# Altium PCB PJ_GRA_F.PcbDoc (part 2 of 2)
Units mm, origin at the board's own origin, x right, y up, seen from the top; angles counter-clockwise.
Board outline 100 x 100 mm, 2 copper layers (Top Layer, Bottom Layer); 102 components, 87 nets, 341 pads, 125 vias.
Unrouted connection lines stored in the file: 1.
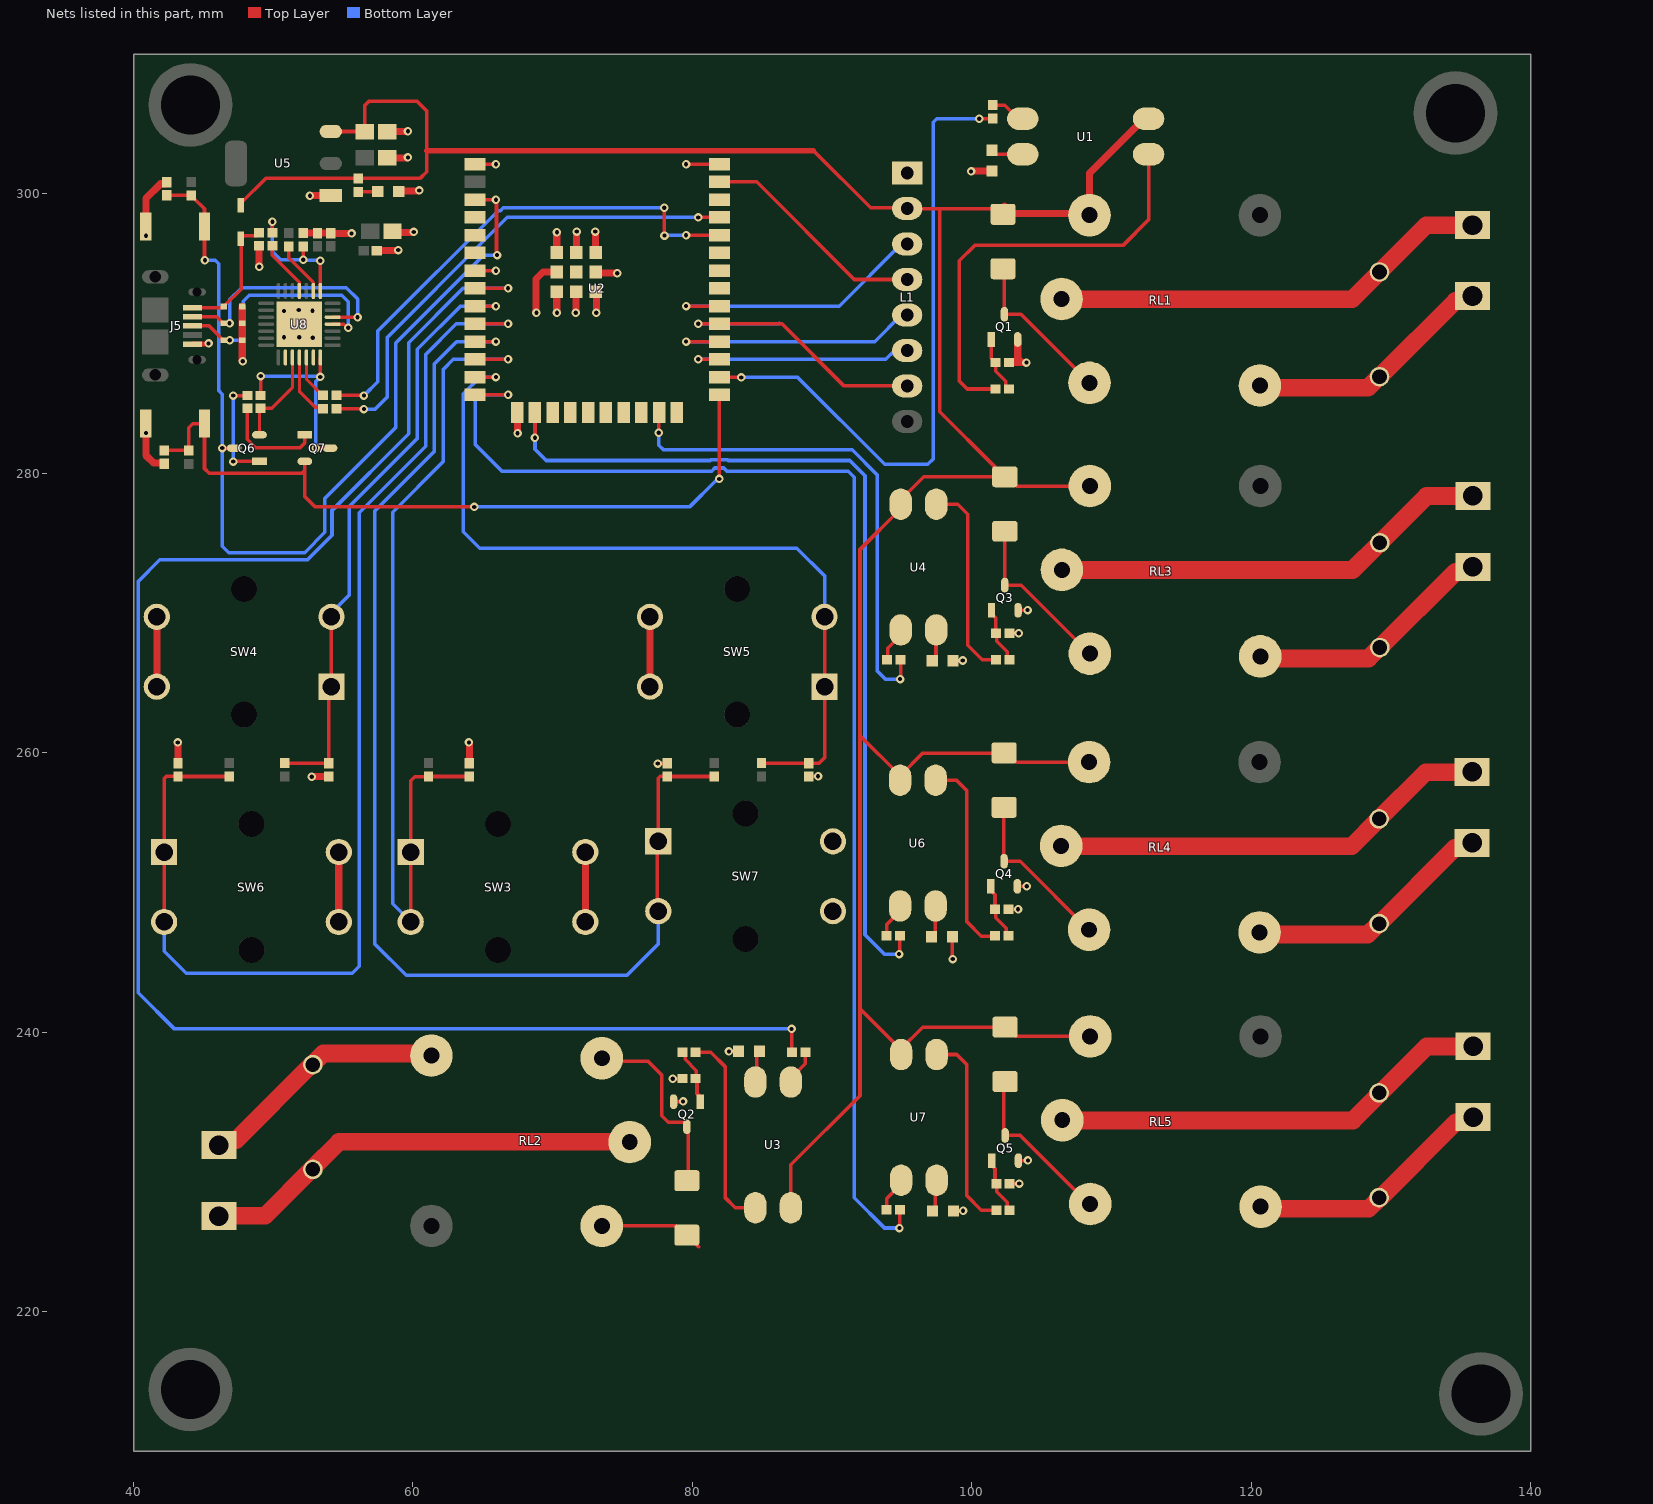
[diagram p2: the nets of this part, all layers, seen from the top]

## Via types
v1: diameter 0.61, hole 0.305, Top Layer to Bottom Layer, 124 vias
v2: diameter 0.61/0.61 (per signal layer), hole 0.305, Top Layer to Bottom Layer, 1 vias

## Nets (pads, with @x,y where several pads share a name; then routed paths per layer and width w, separated by ;. In a path a pad name is that pad's centre, name@x,y a point inside that pad or via, vN(x,y) a via of type N, cw(c..) or ccw(c..) an arc to the next point about the centre after c; other vN are vias at no path point) (continued)
5V: C9.2 D1.K D3.K D4.K D7.K D10.K D12.C L1.2 R13.2 RL1.5 RL2.5 RL3.5 RL4.5 RL5.5 U1.4 U3.4 U4.4 U5.3 U6.4 U7.4 | length 220.9
  Top Layer w0.254: D12.C@47.701,299.107 47.701,299.364 49.45,301.113 R13.2@56.083,301.113 60.499,301.113 60.985,301.6 60.985,303.098 60.985,305.943 60.274,306.654 56.871,306.654 56.553,306.336 C9.2@56.553,304.47 56.549,304.474 U5.3@54.119,304.474 ; RL2.5@73.609,226.136 78.853,226.136 D3.K@79.516,225.473 ; D3.K@79.605,225.474 80.441,224.638 ; U3.4@87.048,227.433 87.048,230.507 91.999,235.458 91.999,241.673 ; 88.671,303.098 92.761,299.009 L1.2@95.377,299.009 ; U6.4@94.868,258.037 U6.4@94.868,258.362 ; U7.4@94.944,238.403 94.944,238.728 U7.4@94.897,238.775 ; L1.2@95.377,298.958 97.714,298.958 ; D1.K@102.235,298.546 101.823,298.958 97.714,298.958 ; RL5.5@108.382,239.701 103.138,239.701 102.476,240.364 96.485,240.364 U7.4@94.897,238.775 ; RL4.5@108.382,259.317 103.138,259.317 102.476,259.98 96.485,259.98 U6.4@94.868,258.362 ; RL3.5@108.45,279.095 103.206,279.095 102.543,279.758 D4.K@102.361,279.758 D4.K@102.243,279.758 ; 91.999,241.673 91.999,261.231 ; 91.999,241.673 U7.4@94.897,238.775 ; 91.999,261.231 91.999,274.554 94.918,277.473 U4.4@94.918,277.798 94.918,278.123 96.553,279.758 D4.K@102.243,279.758 ; 91.999,261.231 U6.4@94.868,258.362 ; 97.714,298.958 97.714,284.405 101.625,280.494 101.625,280.376 D4.K@102.243,279.758
  Top Layer w0.381: 60.985,303.098 88.671,303.098
  Top Layer w0.508: D1.K@102.337,299.144 102.886,298.595 108.312,298.595 RL1.5@108.426,298.481 108.426,301.482 112.328,305.384 U1.4@112.653,305.384
CLK: U2.20
CMD: U2.19
COM1: C4.2 P1.1 RL1.1 | length 55.4
  Top Layer w0.254: RL1.1@106.426,292.481 127.247,292.481 C4.2@129.184,294.419 ; P1.1@135.589,297.777 P1.1@135.839,297.777
  Top Layer w1.27: RL1.1@106.409,292.464 127.23,292.464 129.167,294.402 132.525,297.76 P1.1@135.822,297.76
COM2: C7.2 P3.1 RL3.1 | length 63.2
  Top Layer w0.254: RL3.1@106.45,273.095 127.271,273.095 C7.2@129.208,275.033 132.566,278.391 P3.1@135.863,278.391
  Top Layer w1.27: RL3.1@106.433,273.078 127.254,273.078 129.191,275.016 132.549,278.374 P3.1@135.846,278.374
COM3: C10.2 P4.1 RL4.1 | length 31.6
  Top Layer w1.27: RL4.1@106.382,253.317 127.203,253.317 129.141,255.255 132.499,258.613 P4.1@135.795,258.613
COM4: C11.2 P5.1 RL5.1 | length 63.2
  Top Layer w0.254: RL5.1@106.382,233.701 127.203,233.701 129.141,235.639 132.499,238.997 P5.1@135.795,238.997
  Top Layer w1.27: RL5.1@106.458,233.683 127.279,233.683 129.217,235.621 132.575,238.979 P5.1@135.872,238.979
COM5: C6.2 P2.1 RL2.1 | length 63.2
  Top Layer w0.254: P2.1@46.196,226.84 49.493,226.84 52.851,230.198 54.789,232.136 RL2.1@75.609,232.136
  Top Layer w1.27: P2.1@46.119,226.857 49.416,226.857 52.774,230.215 54.712,232.153 RL2.1@75.533,232.153
CTS: U8.23
D+: D15.2 J5.3 U8.4 | length 17.7
  Top Layer w0.229: U8.4@54.246,290.68 U8.4@54.243,290.678 55.062,290.678 55.316,290.424 v1(55.372,290.424)
  Top Layer w0.254: J5.3@44.229,290.558 45.397,290.558 46.42,289.535 D15.2@46.46,289.535 v1(46.888,289.535)
  Bottom Layer w0.254: v1(46.888,289.535) 47.705,289.535 47.854,289.683 47.854,292.329 48.285,292.76 54.889,292.76 55.372,292.278 v1(55.372,290.424)
D-: D14.2 J5.2 U8.5 | length 17.5
  Top Layer w0.254: J5.2@44.229,291.208 45.953,291.208 46.42,290.741 D14.2@46.46,290.741 46.472,290.728 46.846,290.728 v1(46.871,290.754) ; U8.5@54.243,291.178 54.247,291.182 56.028,291.182 v1(56.032,291.186)
  Bottom Layer w0.254: v1(46.871,290.754) 46.871,292.413 47.759,293.301 55.217,293.301 56.039,292.479 56.039,291.193 v1(56.032,291.186)
DSR: U8.27
DTR: Q7.3 R27.1 U8.28 | length 13.3
  Top Layer w0.229: R27.1@49.094,285.572 49.098,285.576 v1(49.098,286.969) ; v1(53.035,281.813) Q7.3@54.06,281.813 ; v1(53.367,286.908) U8.28@53.367,288.301
  Bottom Layer w0.254: v1(49.098,286.969) 53.306,286.969 v1(53.367,286.908) 53.035,286.577 v1(53.035,281.813)
EN: C5.2 Q6.3 R5.1 SW1.1 U2.3 | length 68.3
  Top Layer w0.254: C5.2@42.367,299.914 42.373,299.908 44.114,299.908 R5.1@44.12,299.902 44.12,299.88 44.692,299.308 44.714,299.308 45.077,298.945 SW1.1@45.077,297.688 45.077,295.283 v1(45.11,295.25) ; v1(46.355,281.813) Q6.3@47.207,281.813 ; U2.3@64.426,299.594 v1@65.937,299.594 ; v1(65.938,299.593) 65.977,299.555 65.977,295.669 v1(66.015,295.631)
  Bottom Layer w0.254: v1(45.11,295.25) 45.847,295.25 46.089,295.007 46.089,285.931 46.355,285.665 46.355,274.777 46.812,274.32 52.241,274.32 53.696,275.775 53.696,278.206 58.776,283.286 58.776,289.331 65.075,295.631 v1(66.015,295.631)
GND: C1.1 C2.1 C3.1 C5.1 C8.1 C9.1 C12.1 C13.1 C14.1 C15.1 C16.1 C17.1 C18.1 D2.1 D5.1 D6.1 D8.1 D9.1 D11.1 D13.1 D14.1 D15.1 J5.5 L1.1 Q1.2 Q2.2 Q3.2 Q4.2 Q5.2 R4.1 R10.1 R11.1 R15.1 R18.1 R28.1 R30.1 SW1.2 SW2.2 SW3.2 SW3.4 SW4.2 SW4.4 SW5.2 SW5.4 SW6.2 SW6.4 SW7.2 SW7.4 U2.1 U2.15 U2.38 U2.39 U5.1 U8.29 | length 86.1
  Top Layer w0.254: SW1.2@40.877,297.021 SW1.2@40.877,297.688 ; U8.29@51.384,290.576 51.765,290.576 U8.29@51.867,290.678 ; U2.1@64.426,302.134 65.937,302.134 v1(65.938,302.133) ; v1@77.54,259.242 C18.1@78.207,259.242 ; v1@78.612,236.683 R10.1@79.279,236.683 ; Q2.2@78.655,235.03 v1@79.321,235.03 ; v1(79.548,302.134) U2.38@81.926,302.134 ; v1@82.633,238.639 D5.1@83.3,238.639 ; C16.1@88.316,258.309 v1@88.983,258.309 ; D8.1@98.615,246.832 98.615,245.25 v1(98.628,245.237) ; D6.1@98.666,266.593 v1@99.332,266.593 ; D11.1@98.691,227.197 v1@99.358,227.197 ; R15.1@102.636,248.787 v1@103.303,248.787 ; R11.1@102.687,268.549 v1@103.354,268.549 ; R18.1@102.712,229.153 v1@103.379,229.153 ; Q4.2@103.26,250.441 v1@103.927,250.441 ; Q3.2@103.311,270.202 v1@103.977,270.202 ; Q5.2@103.336,230.806 v1@104.003,230.806
  Top Layer w0.381: J5.5@44.243,289.258 44.252,289.267 45.325,289.267 v1(45.364,289.306)
  Top Layer w0.508: SW2.2@40.877,283.566 40.877,281.297 41.438,280.735 C3.1@42.189,280.735 ; SW1.2@40.877,297.688 40.877,299.668 41.94,300.731 42.285,300.731 42.367,300.814 C5.1@42.367,300.847 ; SW4.2@41.663,264.733 SW4.4@41.663,269.733 ; C17.1@43.18,259.255 v1@43.18,260.69 ; v1@47.78,288.087 D15.1@47.78,289.521 ; D15.1@47.78,289.535 D14.1@47.78,290.741 D13.1@47.78,291.948 ; v1@48.975,294.843 R30.1@48.975,296.278 ; R28.1@52.146,297.201 52.152,297.195 54.096,297.195 C12.1@54.102,297.189 54.107,297.185 55.596,297.185 v1(55.601,297.18) ; v1@52.671,299.894 U5.1@54.106,299.894 ; v1(52.756,258.293) 52.764,258.301 53.97,258.301 C15.1@53.975,258.295 ; SW6.4@54.688,247.893 SW6.2@54.688,252.893 ; C2.1@57.468,295.961 v1@58.903,295.961 ; C8.1@58.154,302.59 v1@59.588,302.59 ; C9.1@58.154,304.47 59.588,304.47 59.614,304.495 v1(59.639,304.495) ; C1.1@58.56,297.256 v1@59.995,297.256 ; D9.1@58.967,300.228 v1@60.401,300.228 ; C14.1@64.033,259.255 v1@64.033,260.69 ; U2.15@67.461,284.361 67.473,284.349 67.473,282.888 v1(67.486,282.876) ; v1@68.809,291.49 68.809,293.903 69.318,294.413 70.08,294.413 70.084,294.417 U2.39@70.231,294.417 ; U2.39@70.276,293.014 70.292,292.999 70.292,291.506 v2(70.307,291.49) ; U2.39@70.288,295.758 v1@70.288,297.237 ; v1@71.673,291.561 U2.39@71.673,293.04 ; U2.39@71.71,295.783 v1@71.71,297.262 ; SW3.4@72.337,247.893 SW3.2@72.337,252.893 ; v1(73.05,297.307) 73.063,297.294 73.063,295.942 U2.39@73.127,295.879 ; U2.39@73.127,294.355 v1@74.606,294.355 ; v1@73.146,291.51 U2.39@73.146,292.989 ; SW5.2@76.96,264.733 SW5.4@76.96,269.733 ; v1@100,301.637 D2.1@101.434,301.637 ; R4.1@102.676,287.934 103.486,287.934 ; Q1.2@103.287,289.588 103.287,288.225 103.486,288.026 103.486,287.981 103.532,287.934 v1(103.911,287.934)
  other v1: 99.371,227.211 103.392,229.167 104.016,230.82 79.335,235.043 78.599,236.67 82.619,238.626 103.316,248.801 103.94,250.454 88.996,258.322 77.526,259.228 43.155,260.74 64.008,260.74 99.346,266.606 103.367,268.562 103.991,270.215 40.89,282.885 47.805,288.036 52.832,289.712 50.775,289.738 51.867,289.738 68.834,291.49 71.653,291.49 73.127,291.49 50.775,291.617 52.807,291.643 51.816,291.694 74.625,294.335 49.001,294.792 58.953,295.986 40.89,297.008 70.307,297.256 60.046,297.282 71.73,297.307 52.62,299.868 60.452,300.253 99.949,301.612 59.639,302.616
IO0: C3.2 Q7.2 R1.1 SW2.1 U2.25 | length 54.6
  Top Layer w0.254: C3.2@42.189,281.635 42.195,281.641 43.936,281.641 R1.1@43.942,281.647 43.942,283.261 44.247,283.566 SW2.1@45.077,283.566 45.077,280.348 45.415,280.01 52.045,280.01 52.259,280.224 ; Q7.2@52.259,280.863 52.259,280.224 ; v1(64.389,277.597) 53.01,277.597 52.259,278.347 52.259,280.224 ; v1(81.926,279.604) U2.25@81.926,285.624
  Bottom Layer w0.254: v1(64.389,277.597) 79.789,277.597 81.63,279.438 81.664,279.438 81.83,279.604 v1(81.926,279.604)
IO2: U2.24
IO4: R2.1 U2.26 | length 46.6
  Top Layer w0.254: U2.26@81.926,286.894 81.953,286.868 v1(83.49,286.868) ; v1(100.533,305.384) 100.548,305.399 R2.1@101.511,305.399
  Bottom Layer w0.254: v1(83.49,286.868) 83.517,286.894 87.527,286.894 93.777,280.645 96.85,280.645 97.231,281.026 97.231,305.13 97.485,305.384 v1(100.533,305.384)
IO5: L1.7 U2.29 | length 22.2
  Top Layer w0.254: v1(80.413,290.706) U2.29@81.926,290.704 86.409,290.704 90.856,286.258 L1.7@94.945,286.258
  Bottom Layer w0.254: v1(80.413,290.706) 86.185,290.706 86.208,290.728
IO12: R16.1 U2.14 | length 93.5
  Top Layer w0.254: U2.14@64.426,285.624 v1(66.803,285.624) ; v1@94.852,226.17 R16.1@94.852,227.279 R16.1@94.852,227.363
  Bottom Layer w0.254: v1(66.803,285.624) 64.465,285.624 64.465,282.067 66.37,280.162 81.378,280.162 81.602,280.386 82.25,280.386 82.473,280.162 91.161,280.162 91.592,279.73 91.592,276.885 91.592,228.143 93.751,225.984 v1(94.818,225.984)
IO13: R12.1 U2.16 | length 64.2
  Top Layer w0.254: U2.16@68.731,284.374 68.732,284.373 v1(68.732,282.55) ; v1@94.827,245.779 R12.1@94.827,246.972
  Bottom Layer w0.254: v1(68.732,282.55) 68.732,281.737 69.545,280.924 81.286,280.924 81.352,280.99 82.5,280.99 82.565,280.924 91.253,280.924 92.354,279.822 92.354,277.444 92.354,246.964 93.726,245.593 v1(94.793,245.593)
IO14: C16.2 R23.1 SW5.1 SW5.3 U2.13 | length 59.1
  Top Layer w0.254: U2.13@64.426,286.894 v1@65.937,286.894 ; R23.1@84.946,259.254 84.952,259.248 88.31,259.248 C16.2@88.316,259.242 89.062,259.242 89.46,259.64 SW5.1@89.46,264.733 SW5.3@89.46,269.733
  Bottom Layer w0.254: v1(65.938,286.893) 64.795,286.893 63.602,285.699 63.602,275.819 64.77,274.65 87.478,274.65 89.46,272.667 SW5.3@89.46,269.733
IO15: R7.1 U2.23 | length 36.2
  Top Layer w0.254: v1(77.597,282.905) 77.597,284.351 U2.23@77.621,284.374 ; v1(94.869,265.278) 94.894,265.303 94.894,265.455 94.903,265.464 R7.1@94.903,266.657
  Bottom Layer w0.254: v1(77.597,282.905) 77.597,282.016 77.927,281.686 91.44,281.686 93.218,279.908 93.218,265.862 93.802,265.278 v1(94.869,265.278)
IO16: L1.6 U2.27 | length 16.3
  Top Layer w0.254: v1(80.413,288.166) U2.27@81.926,288.164
  Bottom Layer w0.254: v1(80.413,288.166) 93.844,288.166 94.476,288.798 L1.6@94.945,288.798
IO17: L1.5 U2.28 | length 18.6
  Top Layer w0.254: v1(79.548,289.434) U2.28@81.926,289.434
  Bottom Layer w0.254: v1(79.548,289.434) 93.042,289.434 L1.5@94.945,291.338
IO18: L1.3 U2.30 | length 19.6
  Top Layer w0.254: v1(79.548,291.974) U2.30@81.926,291.974
  Bottom Layer w0.254: v1(79.548,291.974) 90.502,291.974 L1.3@94.945,296.418
IO19: U2.31
IO21: U2.33
IO22: U2.36
IO23: L1.4 U2.37 | length 15.9
  Top Layer w0.254: U2.37@81.926,300.864 84.606,300.864 91.592,293.878 L1.4@94.945,293.878
IO25: C17.2 R24.1 SW6.1 SW6.3 U2.10 | length 86.9
  Top Layer w0.254: SW6.3@42.188,247.893 SW6.1@42.188,252.893 42.188,258.16 42.337,258.309 C17.2@43.18,258.309 43.186,258.303 46.832,258.303 R24.1@46.838,258.297 ; U2.10@64.426,290.704 v1(66.803,290.704)
  Bottom Layer w0.254: SW6.3@42.188,247.893 42.188,245.797 43.764,244.221 55.656,244.221 56.159,244.725 56.159,277.192 60.904,281.936 60.904,288.514 63.094,290.704 v1(66.803,290.704)
IO26: C18.2 R25.1 SW7.1 SW7.3 U2.11 | length 88
  Top Layer w0.254: U2.11@64.426,289.434 v1@65.937,289.434 ; SW7.3@77.485,247.893 SW7.1@77.485,252.893 ; SW7.1@77.563,253.662 77.563,258.169 77.712,258.318 78.197,258.318 C18.2@78.207,258.309 78.213,258.303 81.57,258.303 R25.1@81.576,258.297
  Bottom Layer w0.254: v1(65.938,289.433) 63.119,289.433 61.508,287.822 61.508,281.554 57.277,277.323 57.277,246.304 59.512,244.069 75.319,244.069 77.563,246.312 SW7.3@77.563,248.662
IO27: C14.2 R21.1 SW3.1 SW3.3 U2.12 | length 63.3
  Top Layer w0.254: SW3.3@59.837,247.893 SW3.1@59.837,252.893 59.837,258.007 60.126,258.297 R21.1@61.112,258.297 61.118,258.303 64.027,258.303 C14.2@64.033,258.309 ; U2.12@64.426,288.164 v1(66.803,288.164)
  Bottom Layer w0.254: SW3.3@59.837,247.893 58.547,249.183 58.547,277.23 62.154,280.837 62.154,287.428 62.89,288.164 v1(66.803,288.164)
IO32: R6.1 U2.8 | length 121.4
  Top Layer w0.254: U2.8@64.426,293.244 v1(66.803,293.244) ; v1(87.097,240.233) 87.097,238.6 R6.1@87.139,238.557
  Bottom Layer w0.254: v1(66.803,293.244) 63.576,293.244 59.69,289.358 59.69,282.829 54.204,277.343 54.204,275.565 52.451,273.812 41.885,273.812 40.335,272.263 40.335,242.824 42.926,240.233 v1(87.097,240.233)
IO33: C15.2 R22.1 SW4.1 SW4.3 U2.9 | length 43.8
  Top Layer w0.254: R22.1@50.825,259.254 50.831,259.248 53.969,259.248 C15.2@53.975,259.242 53.975,264.546 SW4.1@54.163,264.733 SW4.3@54.163,269.733 ; U2.9@64.426,291.974 v1@65.937,291.974
  Bottom Layer w0.254: SW4.3@54.163,269.733 54.163,270.017 55.423,271.277 55.423,277.622 60.3,282.499 60.3,288.874 63.398,291.973 v1(65.938,291.973)
IO34: U2.6
IO35: U2.7 | length 1.5
  Top Layer w0.254: U2.7@64.426,294.514 v1@65.937,294.514
  other v1: 65.938,294.513
NC: U2.32
NetD1_A: D1.A Q1.3 RL1.4 | length 12
  Top Layer w0.254: D1.A@102.337,295.244 Q1.3@102.337,291.389 103.518,291.389 RL1.4@108.426,286.481
NetD2_2: D2.2 U1.2 | length 2.3
  Top Layer w0.254: D2.2@101.448,303.137 101.74,302.844 U1.2@103.653,302.844
NetD3_A: D3.A Q2.3 RL2.4 | length 13.8
  Top Layer w0.254: RL2.4@73.516,238.136 73.735,237.916 76.822,237.916 77.8,236.938 77.8,234.01 78.266,233.544 79.476,233.544 79.689,233.332 79.689,233.237 79.699,233.228 D3.A@79.699,229.373
NetD4_A: D4.A Q3.3 RL3.4 | length 12
  Top Layer w0.254: D4.A@102.361,275.858 Q3.3@102.361,272.003 103.542,272.003 RL3.4@108.45,267.095
NetD5_2: D5.2 U3.2 | length 2.3
  Top Layer w0.254: U3.2@84.601,236.432 84.621,236.452 84.621,238.365 D5.2@84.894,238.638
NetD6_2: D6.2 U4.2 | length 2.3
  Top Layer w0.254: D6.2@97.166,266.593 97.439,266.866 97.439,268.779 U4.2@97.458,268.798
NetD7_A: D7.A Q4.3 RL4.4 | length 12
  Top Layer w0.254: D7.A@102.293,256.08 102.293,252.225 103.474,252.225 RL4.4@108.382,247.317
NetD8_2: D8.2 U6.2 | length 2.3
  Top Layer w0.254: D8.2@97.098,246.815 97.371,247.088 97.371,249 U6.2@97.391,249.02
NetD9_2: D9.2 R13.1 | length 1.4
  Top Layer w0.254: R13.1@56.083,300.156 57.459,300.156 D9.2@57.48,300.177
NetD10_A: D10.A Q5.3 RL5.4 | length 12
  Top Layer w0.254: D10.A@102.293,236.464 102.293,232.609 103.474,232.609 RL5.4@108.382,227.701
NetD11_2: D11.2 U7.2 | length 2.3
  Top Layer w0.254: D11.2@97.098,227.198 97.371,227.471 97.371,229.384 U7.2@97.391,229.404
NetQ1_1: Q1.1 R3.2 R4.2 | length 4.1
  Top Layer w0.254: Q1.1@101.387,289.588 101.387,288.232 101.684,287.934 R4.2@101.706,287.934 101.706,287.321 102.432,286.594 102.432,286.252 102.641,286.042 R3.2@102.663,286.042
NetQ2_1: Q2.1 R8.2 R10.2 | length 4.1
  Top Layer w0.254: R8.2@79.372,238.574 79.48,238.466 79.48,238.052 80.281,237.252 80.281,236.731 80.33,236.682 80.33,235.61 80.649,235.291 Q2.1@80.649,235.029
NetQ3_1: Q3.1 R9.2 R11.2 | length 4.1
  Top Layer w0.254: Q3.1@101.411,270.202 101.411,269.939 101.73,269.62 R11.2@101.73,268.549 101.777,268.501 101.777,267.98 102.533,267.225 102.533,266.811 R9.2@102.687,266.657
NetQ4_1: Q4.1 R14.2 R15.2 | length 4.1
  Top Layer w0.254: Q4.1@101.343,250.424 101.343,250.161 101.662,249.842 101.662,248.77 101.71,248.723 101.71,248.202 102.465,247.447 102.465,247.033 R14.2@102.619,246.878
NetQ5_1: Q5.1 R17.2 R18.2 | length 4.1
  Top Layer w0.254: Q5.1@101.343,230.807 101.343,230.545 101.662,230.226 101.662,229.154 101.784,229.032 101.784,228.585 102.547,227.821 102.547,227.334 R17.2@102.619,227.262
NetQ6_1: Q6.1 R27.2 | length 7.6
  Top Layer w0.254: v1(47.142,280.848) 47.15,280.855 49.001,280.855 Q6.1@49.008,280.863 ; v1(47.142,285.572) R27.2@48.137,285.572
  Bottom Layer w0.254: v1(47.142,280.848) v1(47.142,285.572)
NetQ7_1: Q7.1 R31.2 | length 7.3
  Top Layer w0.254: R31.2@48.137,284.666 48.137,282.444 48.743,281.838 51.918,281.838 52.259,282.18 Q7.1@52.259,282.763
NetR2_2: R2.2 U1.1 | length 2.5
  Top Layer w0.254: R2.2@101.511,306.357 102.356,306.357 103.328,305.384 U1.1@103.653,305.384
NetR3_1: R3.1 U1.3 | length 30.9
  Top Layer w0.254: R3.1@101.706,286.042 99.678,286.042 99.111,286.61 99.111,295.224 100.203,296.316 110.82,296.316 112.653,298.149 U1.3@112.653,302.844
NetR6_2: R6.2 U3.1 | length 2.5
  Top Layer w0.254: U3.1@87.141,236.432 87.141,236.805 88.079,237.743 88.079,238.54 R6.2@88.113,238.574
NetR7_2: R7.2 U4.1 | length 2.5
  Top Layer w0.254: R7.2@93.946,266.657 93.98,266.69 93.98,267.487 94.918,268.426 U4.1@94.918,268.798
NetR8_1: R8.1 U3.3 | length 14.4
  Top Layer w0.254: R8.1@80.33,238.574 81.305,238.574 82.339,237.54 82.339,228.168 83.074,227.432 U3.3@84.601,227.432
NetR9_1: R9.1 U4.3 | length 14.4
  Top Layer w0.254: U4.3@97.458,277.798 98.985,277.798 99.72,277.063 99.72,267.691 100.754,266.657 R9.1@101.73,266.657
NetR12_2: R12.2 U6.1 | length 2.5
  Top Layer w0.254: R12.2@93.878,246.878 93.912,246.912 93.912,247.709 94.851,248.648 U6.1@94.851,249.02
NetR14_1: R14.1 U6.3 | length 14.4
  Top Layer w0.254: U6.3@97.391,258.02 98.917,258.02 99.653,257.285 99.653,247.912 100.687,246.878 R14.1@101.662,246.878
NetR16_2: R16.2 U7.1 | length 2.5
  Top Layer w0.254: R16.2@93.878,227.262 93.912,227.296 93.912,228.093 94.851,229.031 U7.1@94.851,229.404
NetR17_1: R17.1 U7.3 | length 14.4
  Top Layer w0.254: U7.3@97.391,238.404 98.917,238.404 99.653,237.669 99.653,228.296 100.687,227.262 R17.1@101.662,227.262
NetR26_2: R26.2 R28.2 U8.8 | length 9.7
  Top Layer w0.254: R26.2@49.932,297.231 49.934,297.233 49.934,298.016 v1(49.936,298.018) ; v1(52.146,295.3) R28.2@52.146,296.244 ; v1(53.365,295.224) 53.367,295.223 U8.8@53.367,293.054
  Bottom Layer w0.254: v1(49.936,298.018) 49.936,295.885 50.521,295.3 v1(52.146,295.3) 52.184,295.262 53.327,295.262 v1(53.365,295.224)
NetR29_2: R29.2 U8.9 | length 3.9
  Top Layer w0.229: R29.2@51.105,296.244 51.105,295.427 51.498,295.034 51.498,295.032 52.179,294.352 52.184,294.352 52.864,293.671 52.864,293.057 U8.9@52.867,293.054
NetR30_2: R30.2 U8.11 | length 4
  Top Layer w0.254: R30.2@49.932,296.291 49.932,295.621 51.867,293.687 U8.11@51.867,293.054
NO1: C4.1 P1.2 RL1.3 | length 35.9
  Top Layer w0.254: RL1.3@120.626,286.289 128.286,286.289 128.915,286.919 C4.1@129.184,286.919 129.404,287.138 130.03,287.138 135.589,292.697 P1.2@135.839,292.697
  Top Layer w1.27: RL1.3@120.626,286.289 120.778,286.137 128.367,286.137 129.149,286.919 C4.1@129.184,286.919 134.597,292.332 135.474,292.332 P1.2@135.839,292.697
NO2: C7.1 P3.2 RL3.3 | length 28.9
  Top Layer w0.254: RL3.3@120.65,266.903 128.543,266.903 128.579,266.903 ; 133.528,271.729 134.745,272.946 135.11,273.311 P3.2@135.863,273.311
  Top Layer w1.27: RL3.3@120.65,266.903 120.802,266.751 128.391,266.751 128.543,266.903 129.173,267.533 C7.1@129.208,267.533 134.621,272.946 134.745,272.946 135.498,272.946 P3.2@135.863,273.311
NO3: C10.1 P4.2 RL4.3 | length 18
  Top Layer w1.27: RL4.3@120.599,247.142 120.752,246.99 128.34,246.99 129.122,247.772 C10.1@129.158,247.772 134.571,253.185 135.447,253.185 P4.2@135.812,253.55
NO4: C11.1 P5.2 RL5.3 | length 34.9
  Top Layer w0.254: RL5.3@120.582,227.509 128.511,227.509 C11.1@129.158,228.156 ; C11.1@129.141,228.139 129.141,228.41 P5.2@134.647,233.917
  Top Layer w1.27: RL5.3@120.675,227.508 120.828,227.355 128.416,227.355 129.199,228.138 129.234,228.138 134.647,233.551 135.524,233.551 P5.2@135.889,233.916
NO5: C6.1 P2.2 RL2.3 | length 34.9
  Top Layer w0.254: P2.2@47.344,231.92 52.851,237.426 C6.1@52.851,237.698 ; C6.1@52.834,237.681 53.48,238.328 RL2.3@61.409,238.328
  Top Layer w1.27: P2.2@46.103,231.92 46.467,232.285 47.344,232.285 52.757,237.698 52.792,237.698 53.575,238.481 61.163,238.481 RL2.3@61.316,238.328
RTS: Q6.2 R31.1 U8.24 | length 7
  Top Layer w0.229: Q6.2@49.008,282.763 49.008,284.58 R31.1@49.094,284.666 49.894,284.666 51.367,286.139 U8.24@51.367,288.301
RXD: R19.2 U8.25 | length 4.6
  Top Layer w0.229: U8.25@51.867,288.301 51.867,285.877 53.006,284.738 53.501,284.738 R19.2@53.573,284.666
RXD0: R20.1 U2.34 | length 37.1
  Top Layer w0.254: R20.1@54.53,285.598 56.464,285.598 v1(56.49,285.572) ; v1(77.978,299.009) 77.978,297.129 78.003,297.104 v1(78.003,297.028) ; v1(79.548,297.054) U2.34@81.926,297.054
  Bottom Layer w0.254: v1(56.49,285.572) 57.48,286.563 57.48,290.195 66.096,298.811 66.262,298.811 66.46,299.009 v1(77.978,299.009) ; v1(78.003,297.028) 78.017,297.041 79.535,297.041 v1(79.548,297.054)
SD0: U2.21
SD1: U2.22
SD2: U2.17
SD3: U2.18
SENSOR_VN: U2.5
SENSOR_VP: U2.4
TXD: R20.2 U8.26 | length 3.2
  Top Layer w0.229: U8.26@52.367,288.301 52.367,286.757 53.551,285.572 R20.2@53.573,285.572
TXD0: R19.1 U2.35 | length 35.6
  Top Layer w0.254: R19.1@54.53,284.632 v1@56.464,284.632 ; v1(80.413,298.326) U2.35@81.926,298.324 U2.35@81.926,298.324
  Bottom Layer w0.254: v1(56.49,284.607) 57.302,284.607 58.172,285.476 58.172,289.751 65.245,296.824 66.747,298.326 v1(80.413,298.326)
VBUS: D12.A D13.2 J5.1 R26.1 | length 8.7
  Top Layer w0.254: J5.1@44.229,291.858 D13.2@46.33,291.858 ; D13.2@46.46,291.948 46.5,291.948 46.573,292.021 46.573,292.061 47.701,293.189 D12.A@47.701,296.525 ; D12.A@47.701,296.815 47.907,297.022 48.766,297.022 R26.1@48.975,297.231
pads on no net: J1.1 J2.1 J3.1 J4.1 J5.4 J5.GND J5.S4 J5.S5 RL1.2 RL2.2 RL3.2 RL4.2 RL5.2 SW3. SW4. SW5. SW6. SW7. U8.1 U8.2 U8.3 U8.10 U8.12 U8.13 U8.14 U8.15 U8.16 U8.17 U8.18 U8.19 U8.20 U8.21 U8.22
copper on no net:
  other v1: 136.449,211.575 44.069,211.887 134.671,212.21 138.227,212.337 42.291,212.649 45.847,212.649 133.909,214.115 138.989,214.115 41.529,214.427 46.609,214.427 134.671,215.893 138.227,215.893 42.164,216.205 45.847,216.205 136.449,216.655 44.069,216.967 134.62,303.251 44.069,303.835 132.842,304.013 136.398,304.013 42.291,304.597 45.847,304.597 132.08,305.791 137.16,305.791 41.529,306.375 46.609,306.375 132.715,307.569 136.398,307.569 42.164,308.153 45.847,308.153 134.62,308.331 44.069,308.915

## Polygon pours and split planes (outlines as drawn)
no net on Layer0 "Default Coverlay 1 Top" (split plane): 40,210 140,210 140,310 40,310
no net on Layer0 "Default Coverlay 1 Bottom" (split plane): 40,210 140,210 140,310 40,310
3V3 on Top Layer "NONET_L-01_P-001" (solid, pour order 23): 40.03,310.007 40.03,242.653 97.922,242.653 97.922,310.007
5V on Top Layer "NONET_L-01_P-001" (solid, pour order 19): 98.374,298.018 95.321,298.074 95.275,298.018 90.957,298.018 86.233,302.743 61.366,302.743 61.341,302.717 60.604,302.717 60.604,305.486 59.944,306.146 57.175,306.146 57.175,303.911 53.543,303.911 52.984,304.47 52.984,307.061 53.315,307.391 62.89,307.391 63.983,306.299 63.983,303.301 89.256,303.301 92.761,299.796 98.374,299.796
5V on Top Layer "NONET_L-01_P-001" (solid, pour order 25): 83.902,226.06 91.567,226.06 91.567,221.107 83.922,221.107
5V on Top Layer "NONET_L-01_P-001" (solid, pour order 2): 92.354,221.082 92.354,235.458 90.881,236.931 85.573,231.623 85.573,221.082
5V on Top Layer "NONET_L-01_P-001" (solid, pour order 8): 90.881,236.931 90.881,246.431 90.932,246.482 92.964,246.482 92.964,243.015 110.515,243.015 110.515,237.109 104.343,237.109 104.343,233.07 104.216,232.943 104.343,232.816 104.343,224.688 90.868,224.688
5V on Top Layer "NONET_L-01_P-001" (solid, pour order 24): 77.826,242.722 90.881,242.722 90.881,236.931 85.446,231.496 85.446,226.035 77.826,226.035 77.597,226.263
5V on Top Layer "NONET_L-01_P-001" (solid, pour order 18): 92.989,277.19 93.345,277.698 97.46,281.813 97.46,300.558 112.751,300.558 112.751,255.93 112.71,255.93 112.751,255.971 112.751,261.264 94.818,261.264 92.989,263.093
NO1 on Top Layer "NONET_L-01_P-001" (solid, pour order 17): 116.589,290.124 116.589,282.174 127.08,282.174 131.906,287 139.902,287 139.902,296.119 133.201,296.119 127.207,290.124
COM1 on Top Layer "NONET_L-01_P-001" (solid, pour order 16): 104.878,295.077 125.35,295.077 130.608,300.335 140.133,300.335 140.154,300.315 140.154,296.119 133.453,296.119 127.459,290.124 104.878,290.124
COM2 on Top Layer "NONET_L-01_P-001" (solid, pour order 15): 104.902,275.692 125.374,275.692 130.632,280.949 140.157,280.949 140.178,280.929 140.178,276.733 133.477,276.733 127.483,270.739 104.902,270.739
NO2 on Top Layer "NONET_L-01_P-001" (solid, pour order 14): 116.738,270.739 116.738,262.788 127.229,262.788 132.055,267.614 140.051,267.614 140.051,276.733 133.35,276.733 127.356,270.739
NO3 on Top Layer "NONET_L-01_P-001" (solid, pour order 12): 116.688,250.977 116.688,243.027 127.178,243.027 132.004,247.853 140,247.853 140,256.972 133.299,256.972 127.305,250.977
COM3 on Top Layer "NONET_L-01_P-001" (solid, pour order 11): 104.724,255.93 125.197,255.93 130.454,261.188 139.979,261.188 140,261.168 140,256.972 133.299,256.972 127.305,250.977 104.724,250.977
5V on Top Layer "NONET_L-01_P-001" (solid, pour order 10): 92.964,246.482 91.465,246.482 91.465,277.165 91.542,277.241 91.592,277.19 92.989,277.19 92.989,263.093 94.818,261.264 112.751,261.264 112.751,256.337 112.344,255.93 104.724,255.93 104.724,243.18 104.851,243.053 104.813,243.015 92.964,243.015
NO4 on Top Layer "NONET_L-01_P-001" (solid, pour order 9): 104.775,229.819 104.775,220.751 140,220.751 140,235.839 133.833,235.839 127.813,230.073 105.842,230.429 104.775,230.073
COM4 on Top Layer "NONET_L-01_P-001" (solid, pour order 5): 104.496,236.955 104.496,232.867 106.985,230.378 127.762,230.378 133.934,236.55 140,236.55 140,242.621 129.464,242.621 123.876,237.033
COM5 on Top Layer "NONET_L-01_P-001" (solid, pour order 4): 55.143,235.458 77.419,235.458 77.419,228.981 77.038,228.6 76.911,228.727 59.233,228.727 59.233,221.056 41.605,221.056 41.605,229.108 49.403,229.108 49.403,229.718
NO5 on Top Layer "NONET_L-01_P-001" (solid, pour order 3): 69.367,241.986 69.367,236.068 54.686,236.068 48.362,229.743 41.529,229.743 41.529,241.376 42.139,241.986
5V on Top Layer "NONET_L-01_P-001" (solid, pour order 1): 59.512,228.498 59.512,221.082 90.758,221.082 80.742,228.498
5V on Top Layer "NONET_L-01_P-001" (solid, pour order 13): 104.724,250.977 116.688,250.977 116.688,243.027 116.675,243.015 104.709,243.015
GND on Bottom Layer "NONET_L-01_P-001" (solid, pour order 20): 40,310 40,242.9 76.429,242.9 77.851,241.478 77.8,241.427 77.8,220.904 104.927,220.472 104.927,310
GND on Bottom Layer "NONET_L-01_P-001" (solid, pour order 22): 40.005,209.995 40.005,220.472 77.826,220.447 77.8,220.472 77.8,220.904 104.877,220.472 104.877,220.853 104.877,220.193 139.979,220.193 140.005,220.218 140.005,210.007
GND on Bottom Layer "NONET_L-01_P-001" (solid, pour order 21): 104.8,300.838 139.936,300.533 140.03,300.438 140.03,310 104.8,310

## Silkscreen, mask and mechanical layers (free items; w line width, h text height)
Top Overlay:
  lines w0.254: 74.295,210.058 74.295,218.897 104.216,218.897 104.216,210.033
  text "Graduation project" at 77.292,216.535 h1.52
  text "DESIGNED BY / LONG BACH" at 81.89,210.21 h1.52

## Text inside footprints (layer, text, board x,y; h text height)
J5: Top 3D Body "PCB END" at 40.229,284.558 h0.61 r270